# Altium PCB m-BLANC.PcbDoc (part 8 of 15) (continued)
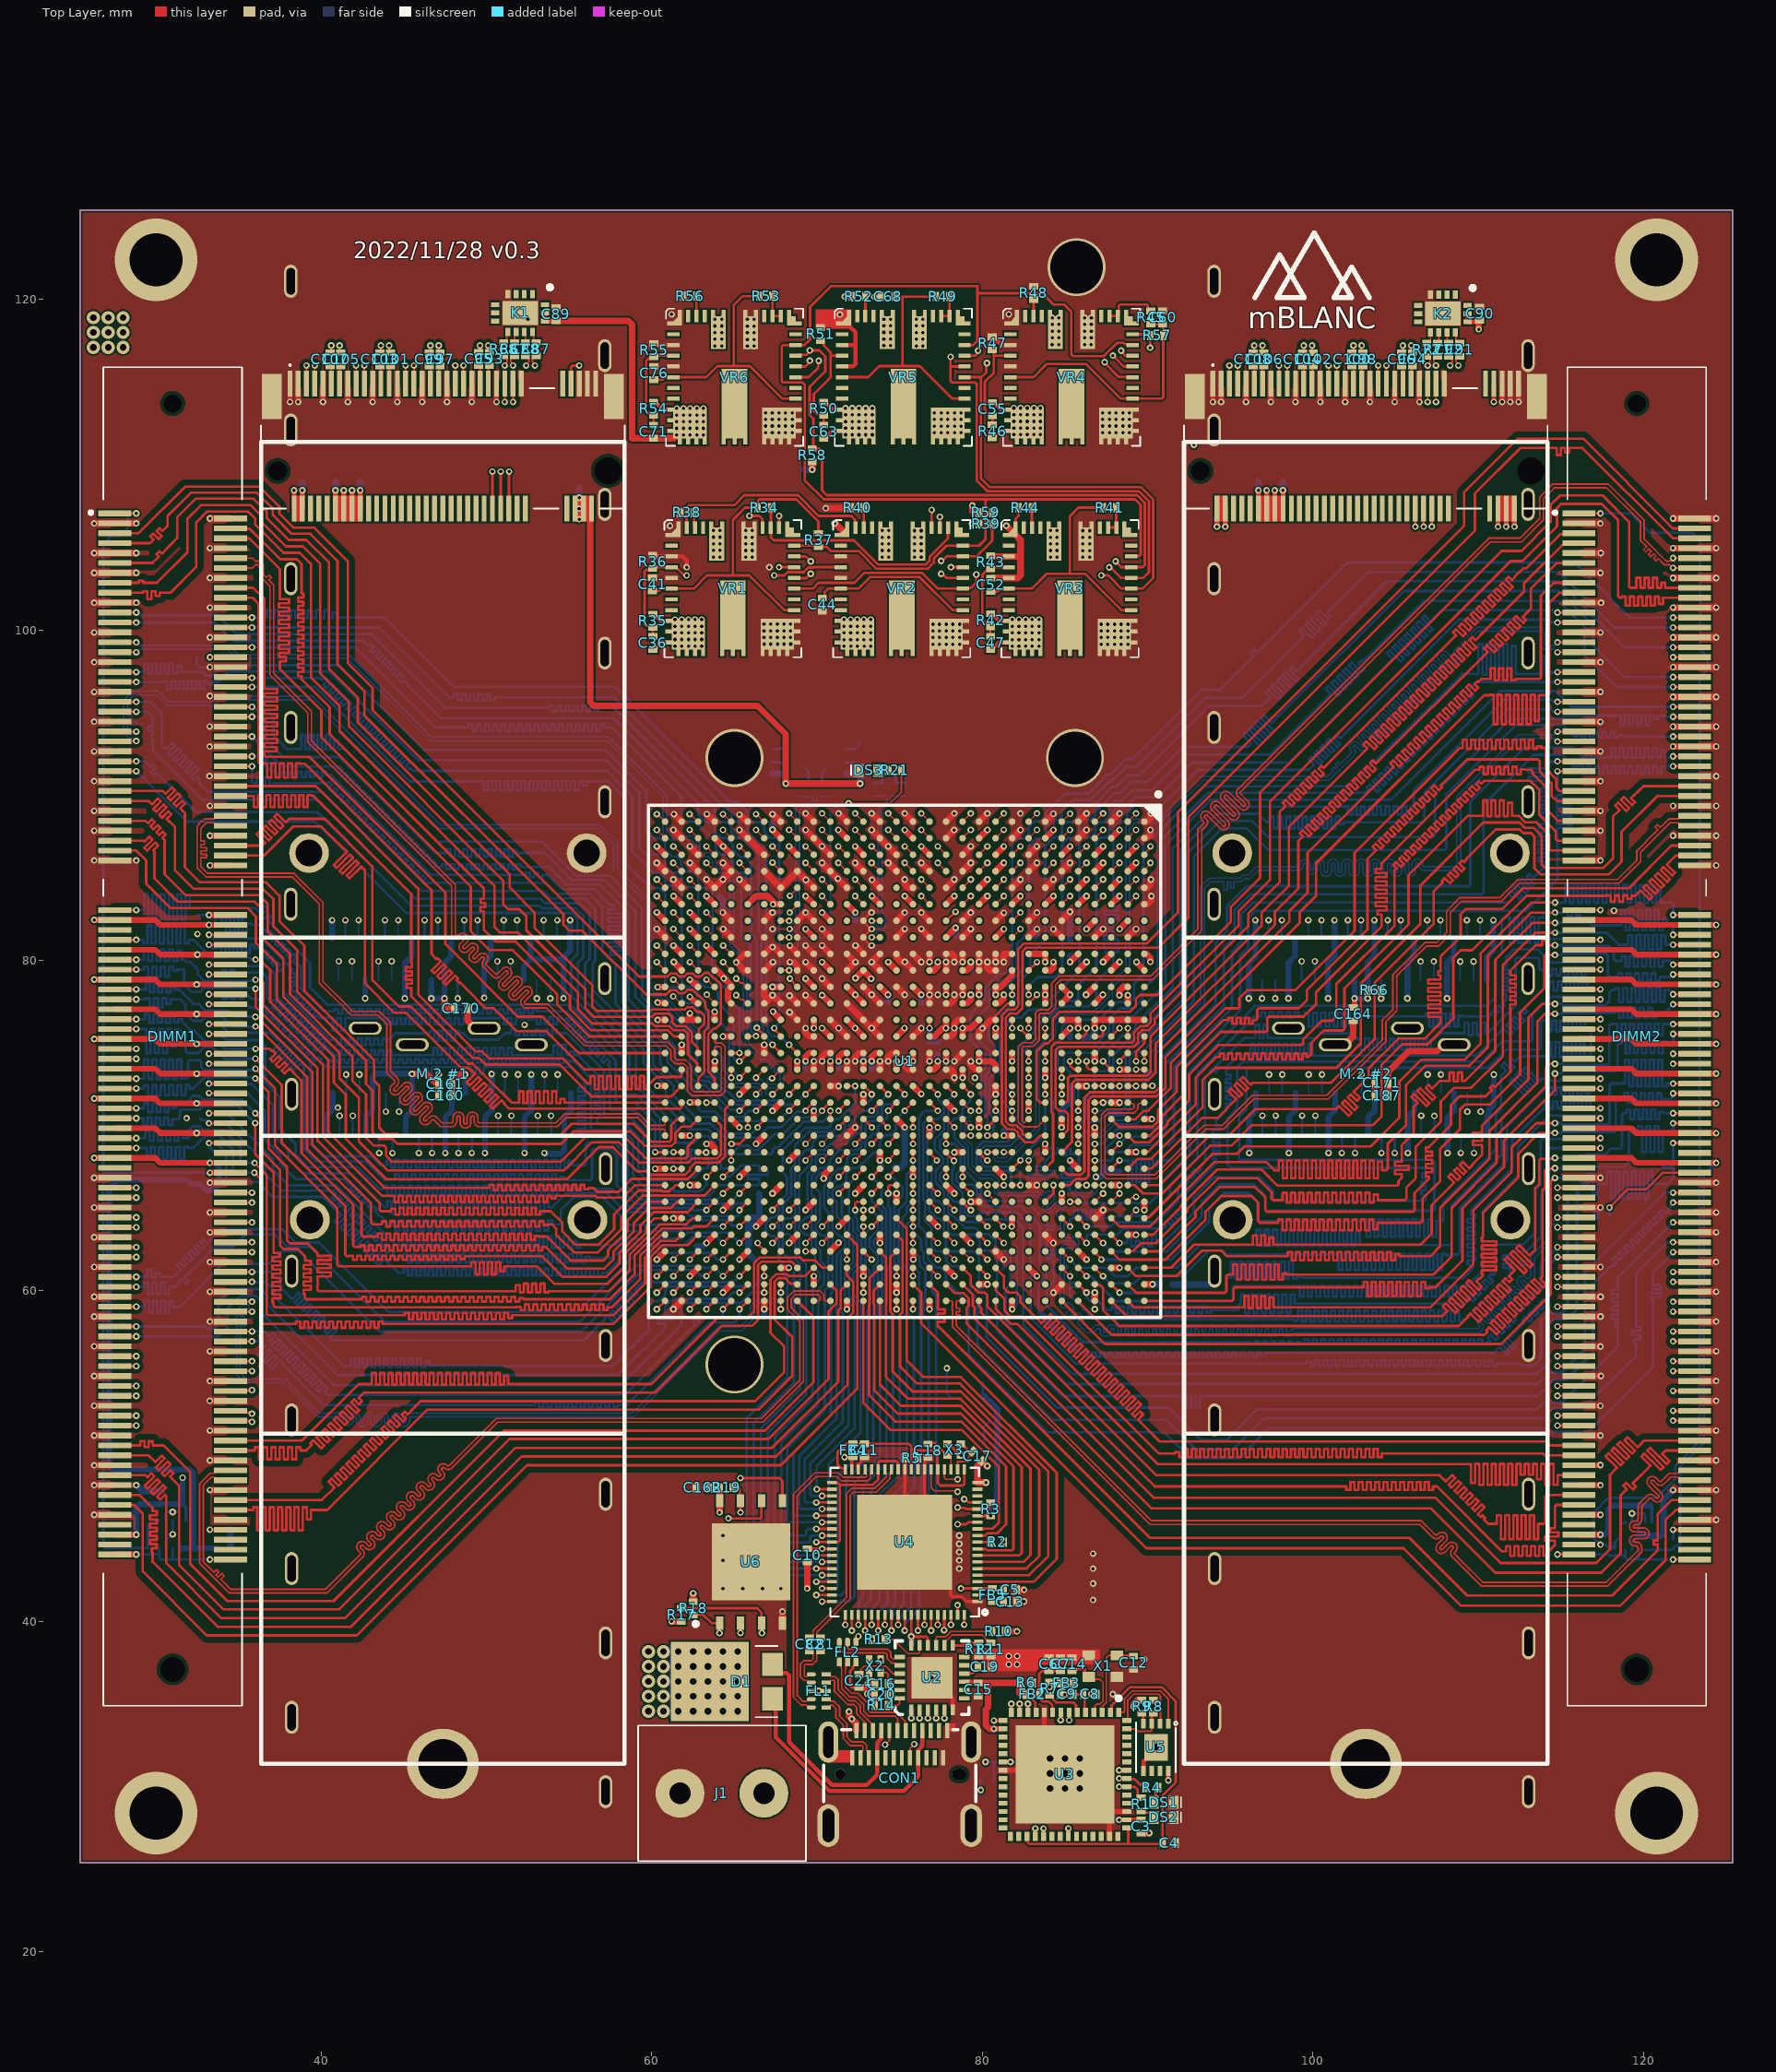
[diagram p0: Top Layer view]
## Nets (pads, with @x,y where several pads share a name; then routed paths per layer and width w, separated by ;. In a path a pad name is that pad's centre, name@x,y a point inside that pad or via, vN(x,y) a via of type N, cw(c..) or ccw(c..) an arc to the next point about the centre after c; other vN are vias at no path point) (continued)
  other v1: 78.8,66.9
DRAM2_DQ42: DIMM2.157 U1.P24 | length 55.2
  Top Layer w0.15: U1.P24@76.8,65.4 v1(77.3,64.9) ; v1(114.8,57.85) DIMM2.157@116.1,57.85
  InLayer2 (Signal) w0.15: v1(77.3,64.9) 77.8,64.4 78.437,64.4 78.622,64.215 79.647,64.215 80.023,64.591 82.452,64.591 83.413,63.63 83.413,61.387 86.646,58.154 97.666,58.154 98.511,57.309 105.082,57.309 105.157,57.309 105.157,57.54 105.407,57.54 105.407,57.054 105.657,57.054 105.657,57.54 105.907,57.54 105.907,57.054 106.157,57.054 106.157,57.54 106.407,57.54 106.407,57.054 106.657,57.054 106.657,57.54 106.907,57.54 106.907,57.054 107.157,57.054 107.157,57.54 107.407,57.54 107.407,57.054 107.657,57.054 107.657,57.54 107.907,57.54 107.907,57.054 108.157,57.054 108.157,57.54 108.407,57.54 108.407,57.054 108.657,57.054 108.657,57.54 108.907,57.54 108.907,57.054 109.157,57.054 109.157,57.54 109.407,57.54 109.407,57.054 109.657,57.054 109.657,57.54 109.907,57.54 109.907,57.054 110.157,57.054 110.157,57.54 110.407,57.54 110.407,57.26 110.657,57.26 110.657,57.309 111.005,57.309 111.161,57.309 112.258,58.406 113.459,58.406 114.015,57.85 v1(114.8,57.85)
DRAM2_DQ43: DIMM2.159 U1.N25 | length 53.9
  Top Layer w0.15: U1.N25@77.8,64.4 v1(78.3,63.9) ; v1(114.8,57.25) DIMM2.159@116.1,57.25
  InLayer2 (Signal) w0.15: v1(78.3,63.9) 79.772,63.9 79.925,64.053 79.925,64.055 80.145,64.275 81.53,64.275 81.955,64.275 82.9,63.33 82.9,60.738 83.501,60.137 83.554,60.084 83.558,60.088 83.734,59.911 83.452,59.629 83.629,59.452 83.911,59.735 84.088,59.558 83.806,59.275 83.982,59.099 84.265,59.381 84.442,59.204 84.159,58.922 84.336,58.745 84.618,59.027 84.795,58.851 84.513,58.568 84.69,58.392 84.972,58.674 85.149,58.497 84.866,58.215 85.043,58.038 85.325,58.32 85.502,58.144 85.498,58.139 85.663,57.975 86.019,57.619 97.419,57.619 98.496,56.542 99.7,56.542 99.775,56.542 99.775,56.739 100.025,56.739 100.025,56.344 100.275,56.344 100.275,56.739 100.525,56.739 100.525,56.344 100.775,56.344 100.775,56.739 101.025,56.739 101.025,56.344 101.275,56.344 101.275,56.739 101.525,56.739 101.525,56.344 101.775,56.344 101.775,56.739 102.025,56.739 102.025,56.344 102.275,56.344 102.275,56.739 102.525,56.739 102.525,56.344 102.775,56.344 102.775,56.739 103.025,56.739 103.025,56.344 103.275,56.344 103.275,56.591 103.525,56.591 103.525,56.542 104.486,56.542 111.314,56.542 112.704,57.932 113.339,57.932 114.02,57.25 v1(114.8,57.25)
DRAM2_DQ44: DIMM2.146 U1.P23 | length 55.8
  Top Layer w0.15: U1.P23@76.8,66.4 v1(77.3,65.9) ; v1(121.8,61.15) DIMM2.146@123.1,61.15
  InLayer2 (Signal) w0.15: v1(77.3,65.9) 77.3,66.985 77.628,67.312 78.258,67.312 79.863,68.918 81.562,68.918 82.017,68.463 83.53,68.463 83.959,68.034 84.702,68.034 85.065,68.397 86.017,68.397 86.333,68.081 86.333,66.906 86.709,66.529 86.714,66.529 86.801,66.441 86.801,65.868 87.05,65.619 87.05,65.612 87.138,65.524 88.064,65.524 89.063,64.525 91.408,64.525 93.236,66.353 99.07,66.353 102.623,62.8 113.329,62.8 113.986,63.456 116.664,63.456 118.97,61.15 119.7,61.15 119.775,61.15 119.775,61.557 120.025,61.557 120.025,61.15 120.363,61.15 v1(121.8,61.15)
DRAM2_DQ45: DIMM2.148 U1.L21 | length 52.3
  Top Layer w0.15: U1.L21@79.8,68.4 79.8,68.37 80.27,67.9 v1(80.3,67.9) ; v1(121.8,60.55) DIMM2.148@123.1,60.55
  InLayer2 (Signal) w0.15: v1(80.3,67.9) 80.368,67.9 80.474,68.007 81.648,68.007 82.142,67.512 85.501,67.512 85.925,67.088 85.925,66.181 86.832,65.274 87.482,65.274 88.605,64.151 91.86,64.151 93.748,66.039 98.09,66.039 101.874,62.255 113.672,62.255 114.526,63.11 115.217,63.11 115.477,62.85 115.53,62.797 115.57,62.837 115.746,62.661 115.35,62.264 115.527,62.088 115.923,62.484 116.1,62.307 115.704,61.911 115.88,61.734 116.277,62.13 116.454,61.954 116.232,61.732 116.409,61.555 116.59,61.737 116.939,61.388 117.025,61.302 117.025,61.295 117.245,61.075 117.252,61.075 117.777,60.55 v1(121.8,60.55)
DRAM2_DQ46: DIMM2.158 U1.M23 | length 53.6
  Top Layer w0.15: U1.M23@78.8,66.4 v1(79.3,65.9) ; v1(121.8,57.55) DIMM2.158@123.1,57.55
  InLayer2 (Signal) w0.15: v1(79.3,65.9) 79.33,65.9 79.719,65.512 83.679,65.512 84.8,64.391 84.8,63.81 85.213,63.397 85.213,62.635 85.827,62.021 85.827,61.72 86.129,61.418 87.513,61.418 88.258,60.673 88.627,60.673 89.575,59.725 105.419,59.725 105.5,59.806 105.575,59.806 105.575,59.847 105.825,59.847 105.825,59.571 106.075,59.571 106.075,59.847 106.325,59.847 106.325,59.571 106.575,59.571 106.575,59.847 106.825,59.847 106.825,59.571 107.075,59.571 107.075,59.847 107.325,59.847 107.325,59.571 107.575,59.571 107.575,59.847 107.825,59.847 107.825,59.571 108.075,59.571 108.075,59.847 108.325,59.847 108.325,59.571 108.575,59.571 108.575,59.847 108.825,59.847 108.825,59.571 109.075,59.571 109.075,59.847 109.325,59.847 109.325,59.571 109.575,59.571 109.575,59.847 109.825,59.847 109.825,59.758 110.075,59.758 110.075,59.806 110.727,59.806 113.792,59.806 114.173,59.425 115,59.425 116.875,57.55 v1(121.8,57.55)
DRAM2_DQ47: DIMM2.160 U1.N24 | length 53.9
  Top Layer w0.15: U1.N24@77.8,65.4 v1(78.3,64.9) ; v1(121.8,56.95) DIMM2.160@123.1,56.95
  InLayer2 (Signal) w0.15: v1(78.3,64.9) 78.637,64.9 79.037,64.5 79.5,64.5 79.908,64.908 82.978,64.908 83.909,63.976 83.909,61.721 86.23,59.4 87.161,59.4 87.88,58.681 98.01,58.681 98.675,58.016 110.916,58.016 111.791,58.891 113.557,58.891 113.949,58.5 115.078,58.5 116.552,57.027 118.807,57.027 118.882,57.027 118.882,57.053 119.132,57.053 119.132,56.663 119.382,56.663 119.382,57.053 119.632,57.053 119.632,56.663 119.882,56.663 119.882,57.053 120.132,57.053 120.132,56.663 120.382,56.663 120.382,57.053 120.632,57.053 120.632,56.841 120.882,56.841 120.882,57.027 121.297,57.027 121.587,57.027 121.616,56.998 121.752,56.998 v1(121.8,56.95)
DRAM2_DQ48: DIMM2.163 U1.K26 | length 54.5
  Top Layer w0.15: U1.K26@80.8,63.4 v1(81.3,62.9) ; v1(114.8,56.05) DIMM2.163@116.1,56.05
  InLayer2 (Signal) w0.15: v1(81.3,62.9) 81.8,62.4 81.8,60.275 82.267,59.808 82.267,58.98 84.86,56.386 86.385,56.386 86.46,56.386 86.46,56.639 86.71,56.639 86.71,56.178 86.96,56.178 86.96,56.639 87.21,56.639 87.21,56.178 87.46,56.178 87.46,56.639 87.71,56.639 87.71,56.178 87.96,56.178 87.96,56.639 88.21,56.639 88.21,56.178 88.46,56.178 88.46,56.639 88.71,56.639 88.71,56.178 88.96,56.178 88.96,56.639 89.21,56.639 89.21,56.178 89.46,56.178 89.46,56.639 89.71,56.639 89.71,56.178 89.96,56.178 89.96,56.639 90.21,56.639 90.21,56.178 90.46,56.178 90.46,56.639 90.71,56.639 90.71,56.178 90.96,56.178 90.96,56.639 91.21,56.639 91.21,56.178 91.46,56.178 91.46,56.639 91.71,56.639 91.71,56.178 91.96,56.178 91.96,56.639 92.21,56.639 92.21,56.178 92.46,56.178 92.46,56.639 92.71,56.639 92.71,56.178 92.96,56.178 92.96,56.639 93.21,56.639 93.21,56.178 93.46,56.178 93.46,56.639 93.71,56.639 93.71,56.375 93.96,56.375 93.96,56.386 94.712,56.386 95.723,56.386 97.292,54.818 113.158,54.818 114.39,56.05 v1(114.8,56.05)
DRAM2_DQ49: DIMM2.165 U1.L26 | length 55
  Top Layer w0.15: U1.L26@79.8,63.4 v1(80.3,62.9) ; v1(114.8,55.45) DIMM2.165@116.1,55.45
  InLayer2 (Signal) w0.15: v1(80.3,62.9) 80.801,62.399 80.801,61.735 81.3,61.235 81.3,58.781 81.674,58.407 82.072,58.407 84.793,55.686 95.365,55.686 96.915,54.137 103.713,54.137 103.788,54.137 103.788,54.37 104.038,54.37 104.038,54.009 104.288,54.009 104.288,54.37 104.538,54.37 104.538,54.009 104.788,54.009 104.788,54.37 105.038,54.37 105.038,54.009 105.288,54.009 105.288,54.37 105.538,54.37 105.538,54.009 105.788,54.009 105.788,54.37 106.038,54.37 106.038,54.009 106.288,54.009 106.288,54.37 106.538,54.37 106.538,54.009 106.788,54.009 106.788,54.37 107.038,54.37 107.038,54.009 107.288,54.009 107.288,54.37 107.538,54.37 107.538,54.009 107.788,54.009 107.788,54.37 108.038,54.37 108.038,54.009 108.288,54.009 108.288,54.37 108.538,54.37 108.538,54.009 108.788,54.009 108.788,54.37 109.038,54.37 109.038,54.009 109.288,54.009 109.288,54.37 109.538,54.37 109.538,54.009 109.788,54.009 109.788,54.37 110.038,54.37 110.038,54.009 110.288,54.009 110.288,54.37 110.538,54.37 110.538,54.009 110.788,54.009 110.788,54.37 111.038,54.37 111.038,54.009 111.288,54.009 111.288,54.37 111.538,54.37 111.538,54.009 111.788,54.009 111.788,54.37 112.038,54.37 112.038,54.009 112.288,54.009 112.288,54.231 112.538,54.231 112.538,54.137 112.875,54.137 112.962,54.137 114.275,55.45 v1(114.8,55.45)
DRAM2_DQ50: DIMM2.175 U1.N26 | length 56.2
  Top Layer w0.15: U1.N26@77.8,63.4 v1(78.3,62.9) ; v1(114.8,52.45) DIMM2.175@116.1,52.45
  InLayer2 (Signal) w0.15: v1(78.3,62.9) 78.282,62.9 77.8,62.418 77.8,60.5 78.2,60.1 78.2,58.844 86.066,50.977 86.591,50.977 87.923,50.977 87.923,51.228 88.173,51.228 88.173,50.964 88.423,50.964 88.423,51.404 88.673,51.404 88.673,50.964 88.923,50.964 88.923,51.404 89.173,51.404 89.173,50.964 89.423,50.964 89.423,51.404 89.673,51.404 89.673,50.964 89.923,50.964 89.923,51.404 90.173,51.404 90.173,50.964 90.423,50.964 90.423,51.404 90.673,51.404 90.673,50.964 90.923,50.964 90.923,51.404 91.173,51.404 91.173,50.964 91.423,50.964 91.423,51.404 91.673,51.404 91.673,50.964 91.923,50.964 91.923,51.404 92.173,51.404 92.173,50.964 92.423,50.964 92.423,51.404 92.673,51.404 92.673,50.964 92.923,50.964 92.923,51.404 93.173,51.404 93.173,50.964 93.423,50.964 93.423,50.977 93.498,50.977 112.824,50.977 114.296,52.45 v1(114.8,52.45)
DRAM2_DQ51: DIMM2.177 U1.P28 | length 54.4
  Top Layer w0.15: U1.P28@76.8,61.4 v1(77.3,60.9) ; v1(114.8,51.85) DIMM2.177@116.1,51.85
  InLayer2 (Signal) w0.15: v1(77.3,60.9) 77.3,60.154 77.694,59.76 77.694,58.644 85.855,50.483 112.872,50.483 113.273,50.483 113.273,50.814 113.523,50.814 113.523,50.462 113.773,50.462 113.773,51.204 114.023,51.204 114.023,50.462 114.273,50.462 114.273,50.747 114.523,50.747 114.523,50.462 114.773,50.462 114.773,50.483 114.812,50.483 114.848,50.52 114.953,50.625 115.006,50.678 114.682,51.002 114.858,51.179 115.312,50.725 115.489,50.902 115.035,51.355 115.212,51.532 115.665,51.079 115.842,51.255 115.419,51.678 115.596,51.855 115.89,51.562 115.9,51.572 115.9,51.677 115.9,52.079 115.812,52.167 115.117,52.167 v1(114.8,51.85)
DRAM2_DQ52: DIMM2.164 U1.K25 | length 55.7
  Top Layer w0.15: U1.K25@80.8,64.4 80.8,64.385 81.27,63.915 v1(81.27,63.9) ; v1(121.8,55.75) DIMM2.164@123.1,55.75
  InLayer2 (Signal) w0.15: v1(81.27,63.9) 81.3,63.87 81.3,63.562 81.468,63.394 81.776,63.394 82.331,62.839 82.331,60.454 82.8,59.985 82.8,59.244 84.957,57.088 95.969,57.088 97.596,55.461 113.28,55.461 114.337,56.518 114.883,56.518 115.651,55.75 116.447,55.75 116.522,55.75 116.522,56.149 116.772,56.149 116.772,55.733 117.022,55.733 117.022,56.149 117.272,56.149 117.272,55.733 117.522,55.733 117.522,56.149 117.772,56.149 117.772,55.733 118.022,55.733 118.022,56.149 118.272,56.149 118.272,55.733 118.522,55.733 118.522,56.149 118.772,56.149 118.772,55.733 119.022,55.733 119.022,56.149 119.272,56.149 119.272,55.733 119.522,55.733 119.522,56.149 119.772,56.149 119.772,55.733 120.022,55.733 120.022,56.149 120.272,56.149 120.272,55.733 120.522,55.733 120.522,55.857 120.772,55.857 120.772,55.75 121.3,55.75 v1(121.8,55.75)
DRAM2_DQ53: DIMM2.166 U1.L27 | length 54.5
  Top Layer w0.15: U1.L27@79.8,62.4 v1(80.3,61.9) ; v1(121.8,55.15) DIMM2.166@123.1,55.15
  InLayer2 (Signal) w0.15: v1(80.3,61.9) 80.347,61.853 80.347,61.521 80.829,61.039 80.829,58.792 84.673,54.948 95.117,54.948 96.558,53.507 112.849,53.507 114.342,55 116.548,55 116.829,55.281 117.753,55.281 117.884,55.15 118.023,55.15 118.098,55.15 118.098,55.226 118.348,55.226 118.348,54.769 118.598,54.769 118.598,55.226 118.848,55.226 118.848,54.769 119.098,54.769 119.098,55.226 119.348,55.226 119.348,54.769 119.598,54.769 119.598,55.226 119.848,55.226 119.848,54.769 120.098,54.769 120.098,55.226 120.348,55.226 120.348,54.769 120.598,54.769 120.598,55.226 120.848,55.226 120.848,54.922 121.098,54.922 121.098,55.15 121.605,55.15 v1(121.8,55.15)
DRAM2_DQ54: DIMM2.174 U1.P27 | length 55.9
  Top Layer w0.15: U1.P27@76.8,62.4 v1(77.3,61.9) ; v1(121.8,52.75) DIMM2.174@123.1,52.75
  InLayer2 (Signal) w0.15: v1(77.3,61.9) 77.259,61.9 76.8,61.441 76.8,59.834 77.2,59.434 77.2,58.402 85.615,49.987 115.432,49.987 118.196,52.75 118.396,52.75 118.62,52.75 118.62,52.8 118.87,52.8 118.87,52.72 119.12,52.72 119.12,53.009 119.37,53.009 119.37,52.72 119.62,52.72 119.62,52.75 119.695,52.75 v1(121.8,52.75)
DRAM2_DQ55: DIMM2.176 U1.P26 | length 57.1
  Top Layer w0.15: U1.P26@76.8,63.4 v1(77.3,62.9) ; v1(121.8,52.15) DIMM2.176@123.1,52.15
  InLayer2 (Signal) w0.15: v1(77.3,62.9) 76.372,61.972 76.372,58.454 85.361,49.466 116.524,49.466 117.579,50.521 118.939,51.881 119.205,52.147 121.797,52.147 v1(121.8,52.15)
DRAM2_DQ56: DIMM2.181 U1.K28 | length 66.7
  Top Layer w0.15: U1.K28@80.8,61.4 81.3,60.9 81.3,60.185 81.585,59.9 82.067,59.9 82.3,59.667 82.3,59.319 83.521,58.098 83.574,58.045 84.129,58.601 84.306,58.424 83.745,57.863 83.922,57.686 84.483,58.247 84.66,58.071 84.099,57.51 84.275,57.333 84.836,57.894 85.013,57.717 84.452,57.156 84.629,56.979 85.19,57.54 85.367,57.363 84.806,56.802 84.983,56.626 85.544,57.187 85.72,57.01 85.159,56.449 85.336,56.272 85.897,56.833 86.074,56.656 85.513,56.095 85.69,55.919 86.251,56.48 86.427,56.303 85.866,55.742 86.043,55.565 86.604,56.126 86.781,55.949 86.22,55.388 86.397,55.211 86.958,55.772 87.135,55.596 86.574,55.035 86.75,54.858 87.311,55.419 87.488,55.242 86.927,54.681 87.104,54.504 87.665,55.065 87.842,54.889 87.281,54.328 87.457,54.151 88.018,54.712 88.195,54.535 87.634,53.974 87.811,53.797 88.372,54.358 88.549,54.182 87.988,53.62 88.165,53.444 88.726,54.005 88.902,53.828 88.341,53.267 88.518,53.09 89.079,53.651 89.256,53.474 88.695,52.913 88.872,52.737 89.433,53.298 89.609,53.121 89.048,52.56 89.225,52.383 89.555,52.713 89.732,52.536 89.408,52.212 89.938,51.682 90.729,50.891 114.079,50.891 114.32,50.65 DIMM2.181@116.1,50.65
DRAM2_DQ57: DIMM2.183 U1.K29 | length 65
  Top Layer w0.15: U1.K29@80.8,60.4 80.8,60.065 81.332,59.533 81.332,58.823 81.721,58.433 82.406,58.433 90.674,50.166 91.329,50.166 91.672,50.166 91.672,50.252 91.922,50.252 91.922,49.944 92.172,49.944 92.172,50.449 92.422,50.449 92.422,49.944 92.672,49.944 92.672,50.449 92.922,50.449 92.922,49.944 93.172,49.944 93.172,50.449 93.422,50.449 93.422,49.944 93.672,49.944 93.672,50.449 93.922,50.449 93.922,49.944 94.172,49.944 94.172,50.449 94.422,50.449 94.422,49.944 94.672,49.944 94.672,50.449 94.922,50.449 94.922,49.944 95.172,49.944 95.172,50.449 95.422,50.449 95.422,49.944 95.672,49.944 95.672,50.449 95.922,50.449 95.922,49.944 96.172,49.944 96.172,50.449 96.422,50.449 96.422,49.944 96.672,49.944 96.672,50.449 96.922,50.449 96.922,49.944 97.172,49.944 97.172,50.449 97.422,50.449 97.422,49.944 97.672,49.944 97.672,50.449 97.922,50.449 97.922,49.944 98.172,49.944 98.172,50.449 98.422,50.449 98.422,49.944 98.672,49.944 98.672,50.449 98.922,50.449 98.922,49.944 99.172,49.944 99.172,50.449 99.422,50.449 99.422,49.944 99.672,49.944 99.672,50.449 99.922,50.449 99.922,49.944 100.172,49.944 100.172,50.449 100.422,50.449 100.422,49.944 100.672,49.944 100.672,50.449 100.922,50.449 100.922,49.944 101.172,49.944 101.172,50.449 101.422,50.449 101.422,49.944 101.672,49.944 101.672,50.449 101.922,50.449 101.922,49.944 102.172,49.944 102.172,50.449 102.422,50.449 102.422,49.944 102.672,49.944 102.672,50.449 102.922,50.449 102.922,49.944 103.172,49.944 103.172,50.449 103.422,50.449 103.422,49.944 103.672,49.944 103.672,50.449 103.922,50.449 103.922,49.944 104.172,49.944 104.172,50.166 104.247,50.166 113.923,50.166 114.039,50.05 DIMM2.183@116.1,50.05
DRAM2_DQ58: DIMM2.191 U1.M28 | length 67.6
  Top Layer w0.15: U1.M28@78.8,61.4 79.3,60.9 79.3,60.37 79.77,59.9 80.141,59.9 80.306,59.736 80.306,59.062 90.516,48.851 107.666,48.851 107.999,48.518 108.052,48.465 108.442,48.855 108.618,48.678 108.214,48.273 108.391,48.097 108.795,48.501 108.972,48.324 108.568,47.92 108.744,47.743 109.149,48.148 109.325,47.971 108.921,47.566 109.098,47.39 109.502,47.794 109.679,47.617 109.275,47.213 109.451,47.036 109.856,47.44 110.033,47.264 109.628,46.859 109.805,46.682 110.209,47.087 110.386,46.91 109.982,46.506 110.159,46.329 110.256,46.427 110.433,46.25 110.35,46.167 110.452,46.065 110.606,45.911 111.052,45.911 111.127,45.911 111.127,46.423 111.377,46.423 111.377,44.98 111.627,44.98 111.627,46.423 111.877,46.423 111.877,44.98 112.127,44.98 112.127,46.423 112.377,46.423 112.377,44.98 112.627,44.98 112.627,46.423 112.877,46.423 112.877,44.98 113.127,44.98 113.127,46.423 113.377,46.423 113.377,44.98 113.627,44.98 113.627,45.911 113.88,45.911 113.972,45.911 114.06,45.999 114.06,47.562 114.148,47.65 DIMM2.191@116.1,47.65
DRAM2_DQ59: DIMM2.193 U1.L30 | length 63.2
  Top Layer w0.15: U1.L30@79.8,59.4 79.8,59.1 79.929,58.971 79.929,58.678 90.437,48.17 101.6,48.17 101.768,48.17 102.018,48.17 102.018,47.959 102.268,47.959 102.268,48.427 102.518,48.427 102.518,47.959 102.768,47.959 102.768,48.427 103.018,48.427 103.018,47.959 103.268,47.959 103.268,48.427 103.518,48.427 103.518,47.959 103.768,47.959 103.768,48.427 104.018,48.427 104.018,47.959 104.268,47.959 104.268,48.427 104.518,48.427 104.518,47.959 104.768,47.959 104.768,48.427 105.018,48.427 105.018,47.959 105.268,47.959 105.268,48.427 105.518,48.427 105.518,47.959 105.768,47.959 105.768,48.427 106.018,48.427 106.018,47.959 106.268,47.959 106.268,48.427 106.518,48.427 106.518,47.959 106.768,47.959 106.768,48.427 107.018,48.427 107.018,47.959 107.268,47.959 107.268,48.17 107.343,48.17 107.511,48.17 111.432,44.249 111.499,44.249 111.694,44.249 111.694,44.551 111.944,44.551 111.944,43.967 112.194,43.967 112.194,44.551 112.444,44.551 112.444,43.967 112.694,43.967 112.694,44.551 112.944,44.551 112.944,43.967 113.194,43.967 113.194,44.551 113.444,44.551 113.444,43.967 113.694,43.967 113.694,44.551 113.944,44.551 113.944,43.967 114.194,43.967 114.194,44.249 114.269,44.249 114.646,44.626 114.646,44.812 114.646,44.887 114.05,44.887 114.05,45.137 114.861,45.137 114.861,45.387 114.368,45.387 114.368,45.637 114.646,45.637 114.646,45.73 114.646,46.962 114.733,47.05 DIMM2.193@116.1,47.05
DRAM2_DQ60: DIMM2.180 U1.M29 | length 65.6
  Top Layer w0.15: U1.M29@78.8,60.4 79.425,59.775 79.425,59.099 79.527,58.997 79.527,58.312 90.35,47.489 107.401,47.489 111.356,43.535 117.151,43.535 117.983,44.367 117.983,48.877 118.355,49.248 118.408,49.301 117.713,49.996 117.89,50.173 118.613,49.45 118.79,49.627 118.067,50.35 118.244,50.526 118.966,49.804 119.143,49.981 118.421,50.703 118.597,50.88 119.32,50.157 119.497,50.334 118.86,50.97 119.037,51.147 119.645,50.539 120.004,50.898 120.057,50.95 DIMM2.180@123.1,50.95
DRAM2_DQ61: DIMM2.182 U1.N29 | length 65.5
  Top Layer w0.15: U1.N29@77.8,60.4 78.331,59.869 78.861,59.869 79.175,59.555 79.175,59.105 79.04,58.97 79.04,58.037 90.241,46.836 107.155,46.836 111.045,42.947 117.457,42.947 118.625,44.115 118.625,47.625 118.85,47.85 118.998,47.998 118.781,48.216 118.958,48.392 119.365,47.985 119.542,48.162 119.352,48.352 119.405,48.405 120.346,49.346 120.431,49.431 119.876,49.987 120.052,50.163 121.047,49.169 121.223,49.346 120.229,50.34 120.406,50.517 121.4,49.523 121.577,49.7 121.138,50.138 121.191,50.191 121.35,50.35 DIMM2.182@123.1,50.35
DRAM2_DQ62: DIMM2.192 U1.P29 | length 61.2
  Top Layer w0.15: U1.P29@76.8,60.4 77.3,59.9 77.3,59.098 77.3,58.883 77.722,58.883 77.722,58.633 77.294,58.633 77.294,58.383 77.722,58.383 77.722,58.133 77.294,58.133 77.294,57.883 77.31,57.883 77.385,57.808 90.134,45.059 105.85,45.059 109.338,41.571 118.13,41.571 120.862,44.302 120.862,44.58 120.862,44.655 120.621,44.655 120.621,44.905 120.862,44.905 120.862,45.397 120.862,46.492 121.72,47.35 DIMM2.192@123.1,47.35
DRAM2_DQ63: DIMM2.194 U1.R29 | length 60.3
  Top Layer w0.15: U1.R29@75.8,60.4 76.3,59.9 76.3,58.052 89.917,44.434 105.489,44.434 108.97,40.952 118.597,40.952 121.336,43.691 121.336,46.121 121.963,46.748 123.098,46.748 DIMM2.194@123.1,46.75
DRAM2_DQS0_N: DIMM2.10 U1.G19 | length 78.1
  Top Layer w0.1: U1.G19@83.8,70.4 83.333,69.933 82.469,69.933 82.175,70.227 82.175,74.793 82.406,75.024 83.006,75.024 83.212,75.23 83.212,76.812 83.425,77.025 83.999,77.025 84.201,77.226 84.201,78.614 84.637,79.05 90.182,79.05 93.045,81.913 93.045,87.739 93.045,87.903 93.045,87.948 93.368,88.271 ccw(c93.298,88.342) 93.368,88.414 93.306,88.475 cw(c93.535,88.706) 93.305,88.935 ; 93.306,88.936 cw(c93.535,88.706) 93.727,88.969 93.732,88.969 94.545,88.156 ccw(c94.616,88.226) 94.686,88.297 93.907,89.076 cw(c94.136,89.307) 93.906,89.536 ; 93.907,89.537 cw(c94.136,89.307) 94.328,89.57 94.333,89.57 95.146,88.757 ; 94.507,90.137 ccw(c94.737,89.908) 94.508,89.677 95.287,88.899 cw(c95.217,88.827) 95.146,88.757 ; 94.508,90.138 cw(c94.737,89.908) 94.929,90.171 94.934,90.171 95.747,89.358 ccw(c95.818,89.428) 95.888,89.5 ; 95.472,90.375 ccw(c95.702,90.145) 95.473,89.915 95.888,89.5 ; 95.473,90.376 95.587,90.49 110.651,105.553 112.532,105.553 113.726,106.748 113.726,108.038 114.517,108.828 117.869,108.828 120.052,106.645 120.052,105.496 121.386,104.162 121.591,104.162 121.779,104.35 v1(121.8,104.35) DIMM2.10@123.1,104.35
DRAM2_DQS0_P: DIMM2.12 U1.H19 | length 77.6
  Top Layer w0.1: U1.H19@82.8,70.4 82.78,70.4 82.591,70.212 82.509,70.212 82.4,70.32 82.4,74.7 82.499,74.799 83.099,74.799 83.437,75.137 83.437,76.719 83.518,76.8 84.092,76.8 84.426,77.133 84.426,78.521 84.73,78.825 90.276,78.825 93.27,81.819 93.27,87.514 93.27,87.855 93.527,88.112 ccw(c93.298,88.342) 93.561,88.533 93.561,88.539 93.528,88.572 ccw(c93.298,88.342) 93.527,88.573 93.465,88.635 ; 93.465,88.635 cw(c93.535,88.706) 93.465,88.777 cw(c93.535,88.706) 93.606,88.776 ; 93.607,88.776 94.385,87.997 ccw(c94.616,88.226) 94.879,88.418 94.879,88.423 94.066,89.236 ; 94.066,89.236 cw(c94.136,89.307) 94.066,89.378 cw(c94.136,89.307) 94.207,89.377 ; 94.208,89.377 94.986,88.598 ccw(c95.217,88.827) 95.48,89.019 95.48,89.024 94.667,89.837 cw(c94.737,89.908) 94.667,89.979 cw(c94.737,89.908) 94.809,89.978 ; 94.809,89.978 95.587,89.2 ccw(c95.818,89.428) 96.081,89.62 96.081,89.625 95.632,90.074 ; 95.632,90.074 cw(c95.702,90.145) 95.632,90.216 ; 95.632,90.217 95.746,90.331 110.744,105.328 112.625,105.328 113.951,106.655 113.951,107.945 114.61,108.603 117.776,108.603 119.827,106.552 119.827,105.403 120.015,105.215 120.05,105.18 120.192,105.038 120.017,104.863 120.158,104.722 120.333,104.897 120.475,104.755 120.3,104.581 120.441,104.439 120.616,104.614 120.757,104.473 120.617,104.332 120.759,104.191 120.899,104.331 121.185,104.045 121.292,103.937 121.591,103.937 121.779,103.75 v1(121.8,103.75) DIMM2.12@123.1,103.75
DRAM2_DQS1_N: DIMM2.27 U1.J21 | length 76.8
  Top Layer w0.1: v1(81.3,68.4) U1.J21@81.8,68.4 ; v1(114.8,99.25) DIMM2.27@116.1,99.25
  Bottom Layer w0.1: v1(81.3,68.4) 80.971,68.4 80.913,68.341 80.913,68.259 80.913,68.103 80.971,68.045 81.404,68.045 83.225,69.866 83.225,74.626 84.21,75.612 84.21,76.229 84.928,76.946 86.81,76.946 87.641,77.777 87.641,78.463 88.688,79.509 88.688,88.101 89.137,88.55 90.681,88.55 93.26,91.129 100.895,91.129 101.133,91.367 101.232,91.466 101.137,91.561 101.278,91.703 101.373,91.608 101.515,91.749 101.376,91.887 101.518,92.029 101.656,91.89 101.833,92.067 101.947,92.182 ; 101.948,92.182 102.317,92.551 ; 102.317,92.694 cw(c102.247,92.622) 102.317,92.551 ; 102.316,92.695 cw(c102.547,92.923) 102.778,93.152 102.977,92.953 ; 102.978,92.952 ccw(c103.049,93.023) 103.119,92.952 ccw(c103.049,93.023) 103.119,93.093 102.829,93.384 cw(c103.058,93.614) 103.25,93.877 103.255,93.877 103.746,93.386 ccw(c103.817,93.456) 103.888,93.386 ccw(c103.817,93.456) 103.887,93.528 103.43,93.984 cw(c103.659,94.215) 103.851,94.478 103.856,94.478 104.347,93.987 ccw(c104.418,94.057) 104.489,93.987 ccw(c104.418,94.057) 104.488,94.129 104.032,94.585 cw(c104.26,94.816) 104.452,95.079 104.457,95.079 104.948,94.588 ccw(c105.019,94.658) 105.09,94.588 ccw(c105.019,94.658) 105.089,94.73 ; 105.089,94.73 104.633,95.186 cw(c104.861,95.417) 105.053,95.68 105.058,95.68 105.549,95.189 ; 105.549,95.189 ccw(c105.62,95.259) 105.691,95.189 ccw(c105.62,95.259) 105.69,95.331 ; 105.69,95.331 105.234,95.787 cw(c105.462,96.018) 105.654,96.281 105.659,96.281 106.15,95.79 ; 105.833,96.849 ccw(c106.064,96.619) 105.835,96.389 106.291,95.932 cw(c106.221,95.861) 106.15,95.79 ; 105.834,96.85 cw(c106.064,96.619) 106.255,96.882 106.26,96.882 106.751,96.391 ccw(c106.822,96.462) 106.893,96.533 106.436,96.99 cw(c106.665,97.22) 106.434,97.45 ; 106.435,97.451 cw(c106.665,97.22) 106.856,97.483 106.861,97.483 107.352,96.992 ccw(c107.423,97.063) 107.494,97.134 ; 107.035,98.051 ccw(c107.266,97.821) 107.037,97.591 107.493,97.134 ; 107.036,98.052 cw(c107.266,97.821) 107.457,98.084 107.462,98.084 107.953,97.594 ; 107.636,98.652 ccw(c107.867,98.422) 107.638,98.192 108.094,97.735 ; 107.637,98.653 cw(c107.867,98.422) 108.058,98.685 108.063,98.685 108.554,98.195 ; 107.953,97.593 ccw(c108.024,97.664) 108.095,97.735 ; 108.554,98.194 ccw(c108.625,98.265) 108.696,98.336 108.629,98.403 cw(c108.858,98.633) 108.628,98.862 ; 108.629,98.863 108.743,98.978 109.91,100.144 113.841,100.144 114.031,99.954 114.031,99.121 114.09,99.062 114.591,99.062 114.779,99.25 v1(114.8,99.25)
DRAM2_DQS1_P: DIMM2.29 U1.K21 | length 76.5
  Top Layer w0.1: v1(80.3,68.4) U1.K21@80.8,68.4 ; v1(114.8,98.65) DIMM2.29@116.1,98.65
  Bottom Layer w0.1: v1(80.3,68.4) 80.629,68.4 80.687,68.341 80.687,68.165 80.688,68.01 80.878,67.82 81.497,67.82 83.45,69.773 83.45,74.533 84.435,75.518 84.435,76.135 85.021,76.721 86.903,76.721 87.866,77.684 87.866,78.37 88.913,79.416 88.913,88.008 89.23,88.325 90.775,88.325 93.354,90.904 100.988,90.904 101.292,91.208 101.992,91.908 102.106,92.023 102.476,92.392 ccw(c102.247,92.622) 102.51,92.814 102.51,92.819 102.477,92.851 ; 102.477,92.852 cw(c102.547,92.923) 102.618,92.993 102.819,92.793 ccw(c103.049,93.023) 103.278,92.792 ; 102.987,93.544 cw(c103.058,93.614) 103.129,93.684 ; 102.988,93.543 103.278,93.253 cw(c103.049,93.023) 103.279,92.793 ; 103.13,93.684 103.586,93.227 ccw(c103.817,93.456) 104.046,93.226 ; 104.047,93.227 ccw(c103.817,93.456) 104.08,93.648 104.08,93.653 103.589,94.144 cw(c103.659,94.215) 103.731,94.285 104.187,93.829 ccw(c104.418,94.057) 104.647,93.827 ; 104.19,94.745 cw(c104.26,94.816) 104.332,94.886 ; 104.19,94.745 104.681,94.254 104.681,94.249 cw(c104.418,94.057) 104.648,93.828 ; 104.332,94.886 104.788,94.43 ccw(c105.019,94.658) 105.248,94.428 ; 104.791,95.346 105.282,94.855 105.282,94.85 cw(c105.019,94.658) 105.249,94.429 ; 104.791,95.346 cw(c104.861,95.417) 104.933,95.487 105.389,95.031 ccw(c105.62,95.259) 105.849,95.029 ; 105.534,96.088 ccw(c105.462,96.018) 105.392,95.947 105.883,95.456 105.883,95.451 cw(c105.62,95.259) 105.85,95.03 ; 105.534,96.088 105.99,95.632 ccw(c106.221,95.861) 106.484,96.052 106.484,96.057 105.993,96.548 cw(c106.064,96.619) 105.993,96.69 cw(c106.064,96.619) 106.135,96.69 106.592,96.233 ccw(c106.822,96.462) 107.085,96.653 107.085,96.658 106.594,97.149 ; 106.594,97.149 cw(c106.665,97.22) 106.594,97.291 cw(c106.665,97.22) 106.736,97.291 ; 106.736,97.29 107.193,96.834 ccw(c107.423,97.063) 107.686,97.254 107.686,97.259 107.195,97.75 cw(c107.266,97.821) 107.195,97.892 cw(c107.266,97.821) 107.337,97.892 ; 107.337,97.891 107.794,97.435 ccw(c108.024,97.664) 108.287,97.855 108.287,97.86 107.797,98.351 cw(c107.867,98.422) 107.796,98.493 cw(c107.867,98.422) 107.938,98.493 ; 107.938,98.492 108.395,98.036 ccw(c108.625,98.265) 108.888,98.456 108.888,98.462 108.788,98.561 ; 108.788,98.562 cw(c108.858,98.633) 108.788,98.704 108.902,98.818 110.003,99.919 113.748,99.919 113.806,99.861 113.806,99.028 113.997,98.837 114.591,98.837 114.779,98.65 v1(114.8,98.65)